# Altium PCB ESP32DOWDQ6.PcbDoc (continued)
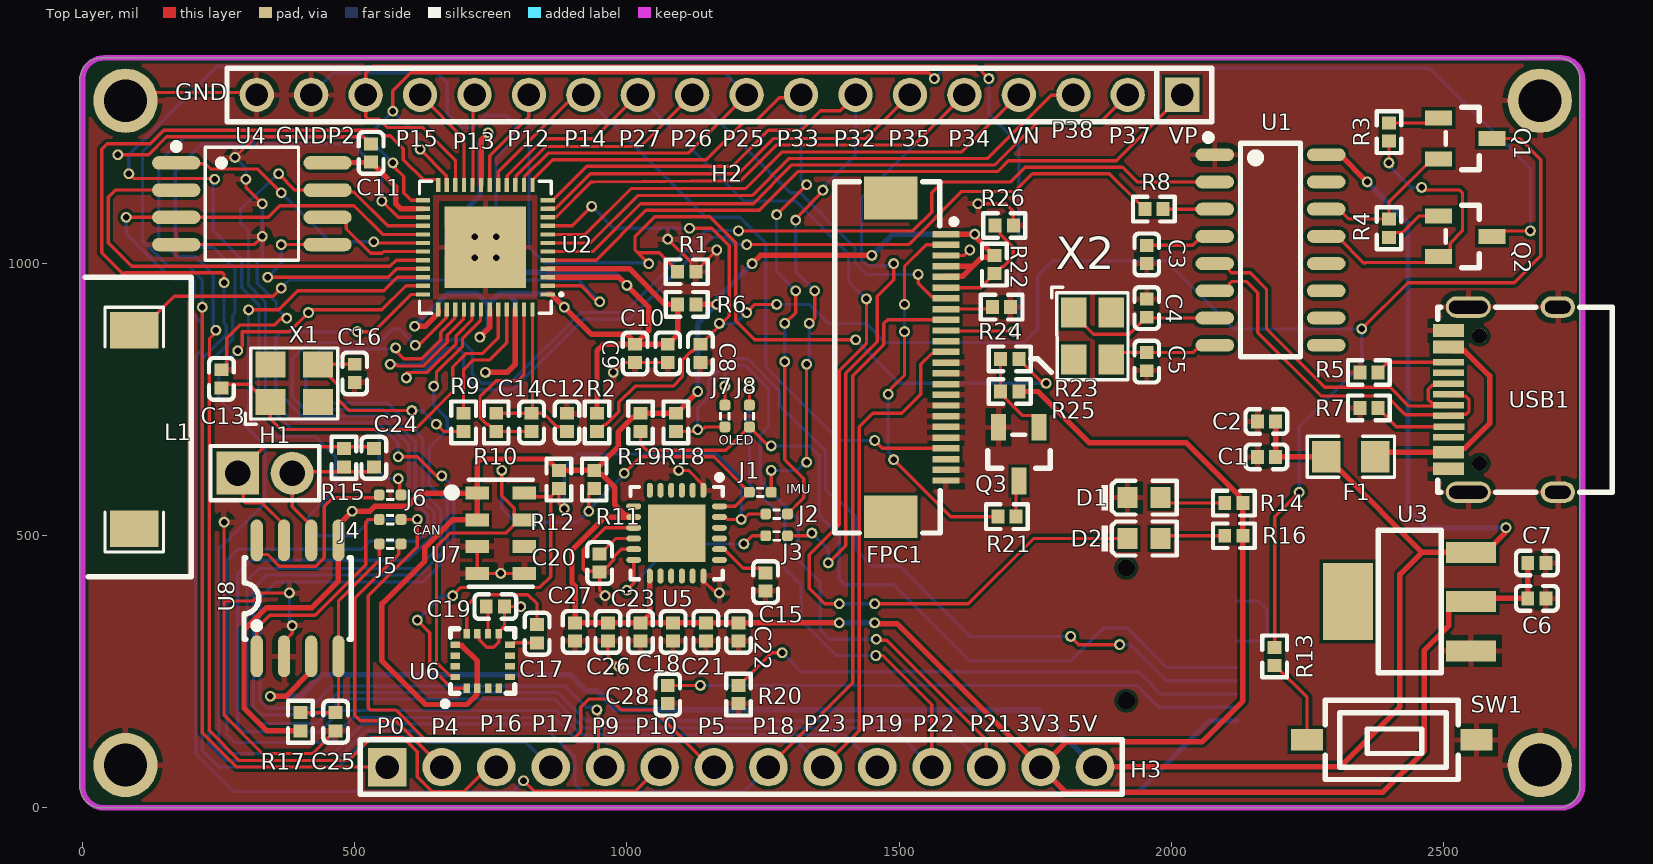
[diagram p0: Top Layer view]
## Nets (pads, with @x,y where several pads share a name; then routed paths per layer and width w, separated by ;. In a path a pad name is that pad's centre, name@x,y a point inside that pad or via, vN(x,y) a via of type N, cw(c..) or ccw(c..) an arc to the next point about the centre after c; other vN are vias at no path point)
3V3: C6.2 C7.2 C18.2 C21.2 C22.2 C23.2 C26.2 C27.2 FPC1.1 FPC1.4 FPC1.5 H3.13 OLED1.14 pad.188 pad.224 pad.225 pad.247 pad.248 pad.249 pad.250 pad.251 R6.2 R11.1 R12.1 R14.1 R16.1 R17.1 R18.1 R19.1 R22.2 R25.1 U3.2 U5.8 U5.13 U6.2 U6.13 U7.1 U7.2 U8.5 | length 7574.5
  Top Layer w10: R17.1 338.46,141.54 296.5,183.5 296.5,326.5 338,368 421.23,368 470,416.77 U8.5 470,520 pad.188 527.37,545 536.37,554 596.63,554 621.05,578.43 U7.1 ; U6.13 685.71,298.7 696.34,298.7 725.22,269.83 U6.2 724.31,218.9 724.31,208.27 706.04,190 630,190 550,270 550,375 629,454 629,478.8 679.41,529.21 U7.2 U7.1 ; U5.8 U5.8@1003.97,534.37 ; U5.13 1042.05,356.06 C23.2@1025.98,340 ; R6.2 pad.225 ; pad.224 1130,764.02 1090.98,725 R18.1 R19.1 1018.19,718.19 1011.49,718.19 983.8,690.49 983.8,662.81 940.98,620 R11.1 ; pad.249 1245,1015 pad.248 ; pad.250 C22.2 C21.2 C18.2 C23.2@1025.98,340 ; pad.251 1456.47,338.53 1496.47,338.53 H3.13 ; FPC1.5 1587.29,976.46 1616.83,976.46 1635.61,995.24 ; FPC1.4 1635.61,995.24 ; FPC1.1 pad.247 1639.14,1049.88 1674.02,1015 R22.2 1671.72,1011.72 1652.09,1011.72 1635.61,995.24 ; R25.1 1755.3,765 1849.13,671.18 2027.25,671.18 2124.92,573.51 2124.92,566.81 R14.1 R16.1 2131.73,196.73 2056.43,121.43 1806.43,121.43 H3.13 ; C7.2 C6.2 2557,385 U3.2 2524.28,379.05 2509.98,364.76 2509.98,334.98 2465,290 2465,105 2388.57,28.57 1806.43,28.57 H3.13 ; U7.1 725,634.14 731.86,641 853.02,641 874.02,620 R12.1 R11.1 ; R11.1 946.81,613.19 953.51,613.19 977.38,589.32 977.38,557.57 997.41,537.54 1000.8,537.54 U5.8@1003.97,534.37 ; U5.8@1003.97,534.37 959.37,534.37 899.14,474.14 899.14,413.41 905,407.55 C27.2 C26.2 C23.2 C23.2@1025.98,340
  Bottom Layer w10: pad.224 1130,890 pad.225 1166.91,926.91 1166.91,936.91 pad.249 ; pad.250 pad.251 ; pad.248 1489.29,1054.29 pad.247 ; H3.13 1806.43,28.57 1938.57,28.57 2070.32,160.32 OLED1.14
3V3A: C9.2 C10.2 pad.169 pad.170 pad.171 pad.190 pad.191 pad.195 R2.2 R6.1 U2.1 U2.3 U2.4 U2.19 U2.37 U2.43 U2.46 | length 2656.7
  Top Layer w10: pad.171 629.88,885 653.39,908.5 U2.37 ; pad.170 747.87,882.87 U2.43 ; U2.19 732.13,1227.13 pad.190@740,1235 ; pad.169 780,800 795.12,815.12 U2.46 ; U2.1 861.5,943.39 934.94,869.94 1000.06,869.94 1007.2,862.8 1007.2,858.54 C9.2@1014.02,851.73 ; U2.3 985.12,974.88 1040,920 1040,876.73 1022.8,859.53 1022.8,858.54 C9.2@1015.98,851.73 ; U2.4 1004.37,990.63 1070,925 R6.1 1093.27,869.02 1075.98,851.73 C10.2 C9.2@1015.98,851.73 ; R2.2 945,840 956.73,851.73 C9.2@1014.02,851.73 ; C9.2@1014.02,851.73 C9.2 C9.2@1015.98,851.73
  Bottom Layer w10: pad.171 670,945 725,945 745,925 ; pad.170 730,867.71 745,882.71 745,925 ; pad.169 780,800 795,815 795,930 780,945 ; pad.190 745,1237.29 730,1222.29 730,1125 670,1065 670,1015 701,984 976,984 pad.195 ; pad.191 860,945 780,945 ; 745,925 765,945 780,945
5VD: C1.2 C2.2 F1.2 H3.14 pad.184 pad.230 pad.231 U1.16 U3.3 U8.3 | length 4137.8
  Top Layer w10: pad.184 373.7,205 420,251.3 U8.3 ; H3.14 1861,76 2311,76 2420,185 2420,429.18 2460.42,469.6 ; C2.2 C1.2 F1.2 2285.02,642.58 2306.3,621.3 2308.72,621.3 2460.42,469.6 ; U1.16 2310,1200 pad.230 ; pad.231 2613.09,513.09 2613.09,504.87 2577.82,469.6 U3.3 2460.42,469.6
  Bottom Layer w10: pad.184 400,205 440,245 895,245 925,215 945,215 980,180 1755,180 H3.14 ; pad.230 2435,1075 2435,550 2470,515 pad.231
CAN_Rx: C25.2 J5.1 R17.2 U8.4 | length 408.1
  Top Layer w6: R17.2 C25.2 470,180 U8.4 470,380 545,455 J5.1
CAN_Tx: J4.1 U8.1 | length 405.2
  Top Layer w6: U8.1 320,330.2 343.8,354 427.03,354 520,446.97 520,525 525,530 J4.1
CH340G_Rx: R8.1 U1.3 | length 95
  Top Layer w6: R8.1 U1.3
CH340G_Tx: pad.176 pad.226 U1.2 U2.40 | length 1975.8
  Top Layer w6: 575,815 578,812 627,812 670.16,855.16 670.16,868.61 699.69,898.14 699.69,914.59 U2.40 ; pad.226 1525.48,1060 1560,1094.52 1560,1130 1580,1150 1705,1150 1732,1177 1910.66,1177 1937.66,1150 U1.2
  Bottom Layer w6: pad.176 620,815 665,860 695,860 716.07,838.93 716.07,797.06 733.13,780 785,780 915,910 995,910 1145.99,1060.99 1204.01,1060.99 pad.226
DTR: pad.228 pad.229 Q2.2 R3.2 U1.13 | length 588.9
  Top Layer w6: U1.13 U1.13@2305,1050 ; U1.13@2295,1060 U1.13@2305,1050 ; pad.229 R3.2 ; pad.228 2465,1135 2530,1135 2535,1130 2535,1060 2512.39,1037.39 2512.39,1023.38 2501.61,1012.6 Q2.2 2480.01,1001.82 2356.82,1001.82 2355,1000 U1.13@2305,1050
  Bottom Layer w6: pad.229 2400,1181.21 2405,1176.21 2405,1175 2440,1140 pad.228
EN: C8.2 pad.189 pad.223 pad.240 pad.252 pad.253 pad.254 pad.283 Q1.3 R2.1 R13.2 U2.9 | length 3574.2
  Top Layer w6: U2.9 899.37,1069.37 pad.189@930,1100 ; R2.1 945.98,691.54 958.64,704.19 961.52,704.19 985,727.67 985,745 1015,775 1085,775 1101.74,791.74 1101.74,822.34 1118.48,839.08 1121.36,839.08 1134.02,851.73 C8.2 1135.98,851.73 1188,903.75 1188,1033.16 1156.16,1065 pad.223 ; pad.253 1235,925 pad.252 ; R13.2 2190,535 pad.283 ; pad.240 2435,965 2630,965 2679,1014 2679,1191 2640,1230 Q1.3
  Bottom Layer w6: pad.189 975,1065 pad.223 ; pad.254 1200,890 pad.253 ; pad.252 1335,925 1370,890 1440,890 1475,855 1730,855 1755,880 1755,978.03 1783.49,1006.51 1785,1005 1990,1005 2115,880 pad.240 2350,815 2235,700 pad.283
GND: C1.1 C2.1 C3.2 C4.1 C5.1 C6.1 C7.1 C8.1 C9.1 C10.1 C11.1 C12.2 C13.1 C15.2 C16.1 C18.1 C19.1 C20.1 C21.1 C22.1 C23.1 C25.1 C26.1 C27.1 C28.1 D1.K FPC1.3 FPC1.13 FPC1.14 FPC1.15 FPC1.16 FPC1.17 FPC1.18 FPC1.19 FPC1.20 FPC1.23 FPC1.24 H2.17 H2.18 OLED1.7 pad.158 pad.185 pad.198 pad.214 pad.217 pad.221 pad.222 pad.284 pad.285 pad.286 pad.287 pad.288 pad.289 pad.290 pad.292 pad.293 pad.294 pad.295 pad.296 pad.297 pad.298 Q3.2 R1.1 R5.2 R7.2 R20.1 R24.1 R26.1 SW1.1 U1.1 U2.49 U3.1 U4.4 U5.1 U5.9 U5.11 U5.18 U6.9 U6.11 U7.3 U7.4 U7.5 U8.2 USB1.13 USB1.14 USB1.15 USB1.16 USB1.A1B12 USB1.B1A12 | length 4294.1
  Top Layer w6: pad.158@59.06,1318.9 63.5,1314.45 315.55,1314.45 H2.18 ; pad.284@65,1203 pad.284 121.14,1200 154.14,1233 318,1233 ; U4.4 315,1035 pad.286 ; C13.1 255.98,805 264.8,813.81 264.8,863.25 288.54,887 352,887 pad.285@365,900 ; pad.289 260,380 ; pad.294 318,1233 ; pad.293 300,1140 pad.292 ; U8.2 370,305.7 385,320.7 pad.185 ; pad.295 327.5,395 312.5,380 260,380 ; C25.1 464.02,141.54 422.48,100 330,100 260,170 260,380 ; C16.1 C16.1@500.98,781.54 ; C11.1 529.02,1220 516.02,1233 318,1233 ; U7.3 U7.4 U7.5 ; U6.11 728.06,317.29 728.06,309.48 742.54,295 755,295 764.53,304.53 U6.9 764.53,323.15 775,333.62 C19.1 pad.214 ; pad.221 950,400 C20.1 ; C26.1 965,280 pad.287 ; pad.222 993.27,818.27 C9.1 C10.1 ; U5.11 989.74,475.32 976.21,461.79 976.21,455.61 962.68,442.08 958.81,442.08 C20.1 ; U5.9 960.62,514.69 920,474.07 920,438.51 923.51,435 948.27,435 C20.1 ; pad.297 1117.92,1002.08 1117.92,993.81 R1.1 1126.73,985.98 1165,1024.25 pad.298 ; pad.288 1113.16,620 1140.47,592.69 U5.1 ; U5.18 1140.47,417.83 1163.31,395 pad.296 ; FPC1.3 1619.92,1014.92 pad.198 ; pad.290 1696.49,1110 1710,1096.49 R26.1
  Bottom Layer w6: pad.294@280,1200 pad.294 300,1175 pad.293 ; pad.292 pad.286 330,1011.17 321,1002.17 321,964 356.16,928.84 356.16,918.84 pad.285 ; pad.295 380,343.79 385,338.79 pad.185 ; H2.17 460.5,1350.5 650.99,1350.5 670,1331.49 670,1275.39 695.39,1250 717.27,1250 739.78,1272.51 777.49,1272.51 795,1255 795,1230 759.69,1194.69 v1(759.69,1049.69) v1(720.32,1049.69) ; v1(720.32,1010.32) v1(759.69,1010.32)
GPIO0: H3.1 pad.161 pad.183 pad.192 pad.205 pad.206 Q2.3 U2.23 | length 4580.3
  Top Layer w6: pad.183 220,138.03 283.03,75 H3.1 ; pad.205 570,1317.27 603.23,1350.5 1554.5,1350.5 pad.206@1560,1345 ; pad.161 668.2,1161.8 668.2,1145.41 U2.23 ; Q2.3 2599.21,1060 pad.192
  Bottom Layer w6: pad.183 220,970 195,995 156.97,995 110,1041.97 110,1205 150,1245 535,1245 pad.205 617.32,1232.68 617.32,1212.68 pad.161 ; pad.206 1584,1359 2475,1359 2660,1174 pad.192
GPIO2: FPC1.10 H2.16 pad.193 pad.194 U2.22 | length 2099.5
  Top Layer w6: U2.22 684.88,1190.12 625,1250 560,1250 545,1265 525,1265 520,1270 H2.16 520,1350 532.5,1362.5 1642.5,1362.5 pad.193 ; FPC1.10 1587.44,876.06 1708.94,876.06 pad.194
  Bottom Layer w6: pad.193 1665,1275 1720,1220 1720,885 pad.194
GPIO4: H3.2 J5.2 pad.187 U2.24 | length 3066.6
  Top Layer w6: pad.187 260,979.49 256.49,983 78,983 77.49,982.49 72.51,982.49 35,1020 35,1210 45,1220 124.17,1220 149.17,1245 542.33,1245 552.33,1235 565,1235 589,1211 589,1191 625.44,1154.56 652.45,1154.56 653.39,1153.62 U2.24 ; J5.2 581,481 581,466 500,385 500,170 510,160 575.56,160 660,75.56 H3.2
  Bottom Layer w6: pad.187 260,890.82 264,886.82 264,869.63 249.37,855 248.51,855 245,851.49 245,850 220,825 220,105 250,75 470,75 525,130 605,130 H3.2
GPIO5: H3.7 J4.2 pad.200 pad.201 U2.34 | length 2283
  Top Layer w6: pad.200 360,915 395,950 553.47,950 578.35,974.88 U2.34 ; J4.2 pad.201 615,480 525,390 525,183.51 528.51,180 575,180 630,125 900,125 915,140 915,185 930,200 970,200 990,180 1049.2,180 1154.2,75 H3.7
  Bottom Layer w6: pad.200 305,720 342.5,682.5 427.5,682.5 465,645 465,585 415,535 415,515 430,500 500,500 530,530 pad.201
GPIO9: H3.5 pad.167 pad.209 pad.210 pad.211 U2.28 U4.7 | length 2655.8
  Top Layer w6: pad.167 390,1135 U4.7 453.6,1131.4 498.6,1131.4 560.63,1069.37 U2.28 ; pad.209 615,645 pad.210@650,610 ; pad.211 947.68,177.32 947.68,87.32 H3.5
  Bottom Layer w6: pad.167 290,1100 290,1075 305,1060 305,960.1 336,929.1 336,761 387,710 400,710 402,708 541.9,708 577.45,672.45 580,669.9 pad.209 ; pad.210 682,588 682,472 625,415 355,415 326,386 326,197.13 340.14,182.99 417.99,182.99 459,224 886,224 925,185 940,185 pad.211 pad.211@950,175
GPIO10: H3.6 pad.212 pad.213 U2.29 U4.3 | length 2565.5
  Top Layer w6: pad.212 U4.3 340.99,1085 362.39,1106.4 498.6,1106.4 551.38,1053.62 U2.29 ; pad.213 829.43,30.57 1015.57,30.57 H3.6
  Bottom Layer w6: pad.212 80,1055 163.49,971.51 201.49,971.51 205,968 205,935.56 201,931.56 201,909 220,890 220,841.97 208,829.97 208,100 278,30 790,30 pad.213
GPIO12: H2.13 pad.196 pad.242 pad.243 R1.2 R23.1 U2.18 | length 1906.3
  Top Layer w6: U2.18 747.87,1197.87 819.5,1269.5 819.5,1309.5 H2.13 ; pad.196 1020,1020 ; R1.2 1093.27,985.98 1059.25,1020 1020,1020 ; pad.243 1235,860 1200,895 1200,1038.13 1152.13,1086 1051,1086 1015,1050 1015,1025 1020,1020 ; R23.1 1720,824.02 1764.02,780 pad.242
  Bottom Layer w6: H2.13 820,1030 848.68,1001.32 1038.68,1001.32 pad.196 ; pad.243 1500,780 pad.242
GPIO13: H2.14 U2.20 | length 167
  Top Layer w6: U2.20 717.32,1145.41 717.32,1307.32 H2.14
GPIO14: FPC1.21 H2.12 pad.241 U2.17 | length 1307.7
  Top Layer w6: U2.17 763.62,1168.62 905,1310 H2.12 ; pad.241 1469.41,660.59 FPC1.21
  Bottom Layer w6: H2.12 1145,1085 1207.5,1085 1255,1037.5 1255,810 1390,675 pad.241
GPIO15: H2.15 U2.21 | length 198.9
  Top Layer w6: H2.15 700.63,1229.37 U2.21
GPIO16: H3.3 pad.159 pad.186 U2.25 | length 2339.4
  Top Layer w6: pad.186 245,874.22 233.2,862.43 233.2,706.8 233.2,141.8 288,87 488.41,87 530.7,129.3 589.3,129.3 615,103.59 615,57.16 642.16,30 700,30 745,75 H3.3 ; pad.159 570,1180 590,1160 590,1130 603.39,1116.61 U2.25
  Bottom Layer w6: pad.186 245,880 240,885 240,980 207.5,1012.5 172.5,1012.5 140,1045 140,1185 187,1232 523,1232 pad.159
GPIO17: H3.4 pad.166 U2.27 | length 2399.5
  Top Layer w6: pad.166 579.88,1085.12 U2.27
  Bottom Layer w6: pad.166 550,1165 495,1220 220,1220 170,1170 170,1050 190,1030 240,1030 280,990 280,910 276,906 276,861 232,817 232,118 263,87 465,87 520,142 609.97,142 631.97,120 815,120 H3.4
GPIO18: FPC1.9 H3.8 pad.180 pad.208 U2.35 | length 3369.7
  Top Layer w6: pad.208 293.51,848.51 293.51,875 380,875 pad.180 420,915 550,915 594.13,959.13 U2.35 ; H3.8 1414.79,229.79 1414.79,793.98 1472,851.19 1472,890 1478.81,896.81 FPC1.9
  Bottom Layer w6: pad.208 250,805 250,751.49 335,666.49 335,560 250,475 250,120 270,100 460,100 514,154 843.84,154 904.43,93.4 904.43,44.43 918.87,30 1215,30 H3.8
GPIO19: H3.10 pad.177 U2.38 | length 2784.8
  Top Layer w6: pad.177@605,850 pad.177 617.61,850 668.2,900.59 668.2,914.59 U2.38
  Bottom Layer w6: pad.177 581.31,880 570,880 545,855 415,855 385,825 385,755 406,734 412.54,734 414.54,732 551.84,732 611,672.84 611,577.03 627.03,561 627.84,561 646,542.84 646,504.03 596.97,455 310,455 285,430 285,150 295,140 435,140 473.99,178.99 871.01,178.99 915,135 1400,135 H3.10
GPIO21: H3.12 J7.2 pad.174 pad.277 pad.278 U2.42 | length 3637.1
  Top Layer w6: pad.174 650,780 650,800 698.09,848.09 698.09,862.6 731.19,895.7 731.19,914.59 U2.42 ; J7.2 pad.278 ; pad.277 1460.25,307.88 1477.12,307.88 1660,125 H3.12
  Bottom Layer w6: pad.174 645,740 670,715 670,695 637,662 637,595 670,562 670,478.03 619.97,428 338.51,428 314,403.49 314,186 329.01,170.99 429.01,170.99 470.03,212 873,212 925,160 1575,160 H3.12 ; pad.278 1180,798.03 1194.97,813 1217,813 1260,770 1260,700 1245,685 1245,605 1244.99,600.01 1315,530 1315,455 1355,415 1355,326.97 1371.97,310 pad.277
GPIO22: H3.11 J8.2 pad.178 pad.276 pad.279 U2.39 | length 3742.1
  Top Layer w6: 580,835 590,825 623.03,825 658.16,860.13 658.16,873.58 683.95,899.36 683.95,914.59 U2.39 ; J8.2 pad.279 ; pad.276 1470,280 1560,190 H3.11
  Bottom Layer w6: pad.178 573,843 438,843 410,815 410,753.51 419.51,744 560,744 625,679 625,580 632,573 632.81,573 658,547.81 658,483 615,440 325,440 302,417 302,178 325,155 430,155 475,200 866.97,200 919.97,147 1488,147 H3.11 ; pad.279 1225,595 1290,530 1290,440 1320,410 1320,345 1385,280 pad.276
GPIO23: FPC1.12 H3.9 pad.179 U2.36 | length 3630.1
  Top Layer w6: pad.179 535,875 603.39,943.39 U2.36 ; H3.9 1426.79,141.79 1426.79,700 1451.79,725 1505,725 1540,760 1540,814.93 1559.92,834.85 1583.47,834.85 FPC1.12
  Bottom Layer w6: pad.179 365,875 355,865 355,768.03 401.03,722 404.97,722 406.97,720 546.87,720 599,667.87 599,572.06 622.06,549 622.87,549 634,537.87 634,509 615,490 527.5,490 512.5,475 285,475 265,455 265,135 280,120 450,120 496,166 867.03,166 913.03,120 1315,120 H3.9
GPIO25: H2.9 J6.2 pad.202 pad.204 pad.291 U2.14 | length 2733.5
  Top Layer w6: pad.204 93.6,1156.4 241.1,1156.4 pad.291 ; pad.202 582.5,602.5 582.5,577.5 J6.2 ; U2.14 811.8,1145.41 811.8,1159.41 855.39,1203 1113,1203 H2.9
  Bottom Layer w6: pad.204 85,1200 247.5,1362.5 1167.5,1362.5 H2.9 ; pad.291 240,1152.5 240,1060 292.5,1007.5 292.5,955.63 324,924.13 324,839.45 323,838.45 323,757.03 384.03,696 536.93,696 545,687.93 545,618.51 558.51,605 pad.202
GPIO26: FPC1.7 H2.10 pad.199 U2.15 | length 1049.4
  Top Layer w6: U2.15 796.05,1145.41 796.05,1160.64 850.42,1215 1025,1215 H2.10 ; pad.199 1535,964.01 1559.92,939.09 1583.47,939.09 FPC1.7
  Bottom Layer w6: H2.10 1300,1130 1318.13,1130 1419,1029.13 1419,1001 1440,980 pad.199
GPIO27: D2.K H2.11 pad.244 pad.245 pad.246 U2.16 | length 2144.3
  Top Layer w6: U2.16 780.31,1145.41 780.31,1161.86 847.7,1229.25 939.25,1229.25 H2.11 ; pad.245 1363.51,375 1335,403.51 1335,465 1390,520 1390,803.13 1440,853.13 pad.246 ; pad.244 1627.03,375 1747.03,495 D2.K
  Bottom Layer w6: H2.11 1215,1115 1310,1115 1407,1018 1407,968 pad.246 ; pad.245 pad.244
GPIO32: H2.7 J1.2 pad.233 pad.235 pad.258 pad.259 pad.260 pad.261 pad.262 U2.12 | length 1501
  Top Layer w6: U2.12 863.62,1116.61 926.01,1179 1194,1179 1260,1245 1320,1245 1355.68,1280.68 1392.05,1280.68 1420,1308.64 H2.7 ; J1.2 pad.262 ; pad.235 1310,1082.5 1360,1132.5 pad.233 ; pad.261 pad.260 ; pad.259 1345,900 pad.258
  Bottom Layer w6: pad.262 1312.77,620 1327.77,635 pad.261 ; pad.235 1310,985 pad.258 ; pad.260 1335,820 pad.259 ; pad.233@1355,1135 1420,1200 H2.7
GPIO33: H2.8 J2.2 pad.232 pad.234 pad.255 pad.256 pad.257 U2.13 | length 1413.9
  Top Layer w6: U2.13 826.61,1153.62 863.99,1191 1146,1191 1215,1260 1234.79,1260 1279.5,1304.72 1314.72,1304.72 H2.8 ; pad.234 pad.232 ; pad.257 1290,640 1325,605 1325,570 J2.2 ; pad.256 1310,910 pad.255
  Bottom Layer w6: pad.234 1275,985 pad.255 ; pad.257 pad.256 ; H2.8 1320,1155 pad.232
GPIO34: H2.5 J3.2 pad.263 pad.264 pad.265 U2.10 | length 2011.4
  Top Layer w6: U2.10 855.41,1086.05 870.64,1086.05 934.58,1150 940,1150 1204.98,1152.13 1209.13,1152.13 1275,1218 1528,1218 H2.5 ; J3.2 1331.21,500 1336.21,505 pad.265 ; pad.264@1375,455 1402,482 1402,798.16 1460,856.16 1460,940 1490,970 pad.263
  Bottom Layer w6: pad.265 1370,475 pad.264 ; pad.263 1486,996 1442.13,996 1431,1007.13 1431,1121 H2.5
GPIO35: H2.6 U2.11 | length 752.2
  Top Layer w6: U2.11 855.41,1101.8 869.41,1101.8 932.61,1165 1205,1165 1270,1230 1440,1230 H2.6
GPIO37: H2.2 U2.6 | length 1184.8
  Top Layer w6: U2.6 937.13,1022.13 1025,1110 1231.97,1110 1303.17,1181.2 1676.2,1181.2 1755,1260 1870,1260 H2.2
GPIO38: H2.3 U2.7 | length 1078.2
  Top Layer w6: U2.7 932.87,1037.87 1020,1125 1230,1125 1298.2,1193.2 1663.2,1193.2 1779.5,1309.5 1819.5,1309.5 H2.3
IMUINT: J3.1 pad.238 pad.239 U5.12 | length 357.2
  Top Layer w6: pad.239 1012.52,412.52 U5.12 ; pad.238 1230,500 J3.1
  Bottom Layer w6: pad.239 1085,485 pad.238
IMUSCL: J2.1 pad.215 pad.216 pad.220 pad.237 R12.2 U5.23 U6.1 U7.8 | length 1302.1
  Top Layer w6: pad.215 638,322 638,259.86 678.05,219.81 U6.1 ; pad.216 695,405 840,405 860,425 860,571.54 ; U7.8 818.5,571.54 860,571.54 ; pad.220 875,560 R12.2 874.02,586.54 865.2,577.72 865.2,576.74 860,571.54 ; U5.23 1179.63,534.37 1184,530 pad.237 1213.79,530 1223.79,540 J2.1
  Bottom Layer w6: pad.215 660,390 pad.216@670,390 ; pad.220 885,625 910,650 1165,650 1210,605 pad.237
IMUSDA: J1.1 pad.218 pad.219 pad.236 R11.2 U5.24 U6.16 U7.7 | length 1271.3
  Top Layer w6: U6.16 681.9,243.45 674.1,243.45 650,267.55 650,480 675,505 777.56,505 U7.7@801.77,529.21 ; pad.218 770,573.85 792.96,550.89 792.96,538.02 U7.7@801.77,529.21 ; U7.7 U7.7@801.77,529.21 ; pad.219 930,577.52 939.02,586.54 R11.2 ; pad.236 1025,645 1160,645 J1.1 1199.06,554.06 U5.24
  Bottom Layer w6: pad.218 770,550 795,525 910,525 pad.219 930,547.5 995,612.5 pad.236
LCD_CS: FPC1.8 R24.2 | length 86.6
  Top Layer w6: FPC1.8 1668.03,916.5 R24.2
LEDK: FPC1.2 pad.266 pad.267 pad.268 pad.269 R21.2 | length 687.3
  Top Layer w6: 1485,770 1510,795 pad.267 ; pad.269 1595,535 R21.2 ; pad.266 1510,995 1549.61,1034.61 FPC1.2
  Bottom Layer w6: pad.268 1480,653.79 1490,643.79 pad.269 ; pad.267 pad.266
NetC3_1: C3.1 U1.4 | length 131.8
  Top Layer w6: C3.1 2039.84,1033.46 2056.38,1050 U1.4
NetC4_2: C4.2 U1.7 X2.1 | length 291.5
  Top Layer w6: X2.1 1821.11,906.07 1857.17,870 1922.48,870 1954.02,901.54 C4.2 1956.54,900 U1.7
NetC5_2: C5.2 U1.8 X2.3 | length 177.2
  Top Layer w6: X2.3@1908.27,836.73 C5.2 2040.21,836.73 2053.48,850 U1.8
NetC12_1: C12.1 C14.1 R10.2 U2.48 | length 336
  Top Layer w6: R10.2 C14.1 ; U2.48 826.61,726.61 C14.1 ; C12.1@889.02,691.54 C12.1 881.19,700.35 871.45,700.35 846.8,725 C14.1
NetC13_2: C13.2 U2.44 X1.1 | length 707.2
  Top Layer w6: C13.2@255,778.27 305.05,778.27 337.76,745.56 341.69,745.56 345,742.26 345,715 365,695 610,695 680,765 680,810 705,835 735,835 763.62,863.62 U2.44
NetC14_2: C14.2 R10.1 U2.47 | length 360.6
  Top Layer w6: U2.47 810.87,795.87 800,785 760,785 730,755 730,717.67 743.48,704.19 746.36,704.19 759.02,691.54 R10.1 C14.2
NetC15_1: C15.1 U5.20 | length 103.1
  Top Layer w6: U5.20 1179.11,475.32 1213.88,440.54 1246.19,440.54 C15.1
NetC16_2: C16.2 pad.172 pad.173 R9.1 X1.3 | length 400.2
  Top Layer w6: C16.2 428.85,815 428.3,814.46 X1.3 468.93,777.77 468.93,751.07 490,730 pad.173 ; pad.172 663.46,691.54 R9.1
  Bottom Layer w6: 615,730 625,730 pad.172
NetC17_1: C17.1 U6.12 | length 234.3
  Top Layer w6: U6.12 705.53,371.32 726,391.8 818.2,391.8 835,375 C17.1
NetC17_2: C17.2 U6.8 | length 51.3
  Top Layer w6: U6.8 788.15,299.61 791.82,303.27 C17.2
NetC19_2: C19.2 U6.10 | length 51.2
  Top Layer w6: C19.2 744.84,366.7 U6.10
NetC20_2: C20.2 U5.10 | length 74.2
  Top Layer w6: C20.2 950.98,466.73 979.25,495 U5.10
NetC24_1: C24.1 H1.2 R15.1 U8.6 | length 297.8
  Top Layer w6: U8.6 420,518.7 385,553.7 H1.2 387.72,617.72 526.19,617.72 C24.1 C24.1@540,626.54
NetC24_2: C24.2 H1.1 R15.2 U8.7 | length 447.7
  Top Layer w6: U8.7 370,520 330,560 300,560 295,565 295,605 H1.1 333.37,663.37 531.63,663.37 C24.2
NetC28_2: C28.2 OLED1.13 pad.271 | length 1061.7
  Top Layer w6: C28.2 pad.271
  Bottom Layer w6: pad.271 1936.49,225 1976.75,184.74 OLED1.13
NetD1_A: D1.A R14.2 | length 122.4
  Top Layer w6: D1.A 1990,560 R14.2
NetD2_A: D2.A R16.2 | length 120.3
  Top Layer w6: D2.A 1985,500 R16.2
NetFPC1_6: FPC1.6 R22.1 R26.2 | length 216.6
  Top Layer w6: FPC1.6 1650.12,955.87 1673.27,979.02 R22.1@1673.27,980 ; R22.1 1675.98,981.54 1688.64,994.19 1691.52,994.19 1710,1012.67 1710,1030 1685.35,1054.65 1685.35,1061.19 R26.2
NetL1_1: L1.1 pad.168 pad.182 U2.2 | length 1018.4
  Top Layer w6: L1.1 105.98,877.28 168.7,940 350,940 pad.182 ; U2.2 915.87,959.13 945,930 pad.168
  Bottom Layer w6: pad.182 380,970 911.49,970 915,966.49 915,965 pad.168
NetOLED1_5: OLED1.5 OLED1.8 | length 170.4
  Bottom Layer w6: OLED1.8 2166.77,306.77 2175.89,315.89 2175.89,364.11 2160,380 OLED1.5
NetOLED1_12: OLED1.12 pad.270 R20.2 | length 971.3
  Top Layer w6: R20.2 1205.98,225 1265.98,285 pad.270
  Bottom Layer w6: pad.270 1320,250 1940,250 1980.87,209.13 OLED1.12
NetQ1_1: Q1.1 R3.1 | length 94.5
  Top Layer w6: R3.1 2481.85,1258.46 Q1.1
NetQ2_1: Q2.1 R4.1 | length 107
  Top Layer w6: R4.1 2408.81,1057.08 2424.33,1057.08 2454.65,1087.4 Q2.1
NetQ3_1: Q3.1 R23.2 R25.2 | length 166.7
  Top Layer w6: R23.2 R25.2 1695.35,756.19 1695.35,752.32 1726.85,720.82 1746.62,720.82 1757.4,710.04 Q3.1
NetQ3_3: Q3.3 R21.1 | length 67.9
  Top Layer w6: R21.1 1715,595.79 Q3.3
NetR5_1: R5.1 USB1.B5 | length 138.1
  Top Layer w6: R5.1 2380,800.98 2397.91,818.9 USB1.B5
NetR7_1: R7.1 USB1.A5 | length 145.2
  Top Layer w6: R7.1 2380,734.02 2413.62,700.39 USB1.A5
NetR8_2: pad.175 pad.227 R8.2 U2.41 | length 1815.6
  Top Layer w6: 595,800 633.03,800 686.09,853.07 686.09,867.57 715.44,896.92 715.44,914.59 U2.41 ; pad.227 1517.45,1035 1614.95,1132.5 1712.5,1132.5 1745,1165 1886.54,1165 1941.74,1109.8 1942.72,1109.8 1951.54,1100.98 R8.2
  Bottom Layer w6: pad.175 595.87,790 608.87,803 628,803 670,845 690,845 700.32,834.68 700.32,795.84 728.16,768 789.97,768 919.97,898 1004.01,898 1155,1048.99 1183.01,1048.99 1196.99,1035 pad.227@1210,1035
NetR9_2: R9.2 U2.45 | length 241
  Top Layer w6: R9.2 700,805 718,823 748,823 779.37,854.37 U2.45
NetR13_1: R13.1 SW1.2 | length 161.8
  Top Layer w6: R13.1 2190.98,261.54 2249.49,203.03 SW1.2
OLED_SCL: J8.1 OLED1.10 pad.272 R19.2 | length 1484.7
  Top Layer w6: R19.2 1025,668.51 1036.51,657 1182,657 J8.1 1260,665 pad.272
  Bottom Layer w6: pad.272 1335,665 1353,647 1353,537 1390,500 1390,420 1400,410 1490,410 1630,270 1815,270 1875,330 1911.97,330 1920,330 1992.05,257.95 OLED1.10
OLED_SDA: J7.1 OLED1.11 pad.273 pad.274 pad.275 R18.2 | length 1515.3
  Top Layer w6: R18.2 1135.12,691.54 1143.59,700 J7.1 ; pad.274 1830,300 pad.273
  Bottom Layer w6: pad.275 1130,735 1150,755 1150,785 1190,825 1221.97,825 1280.24,766.73 1280.24,739.76 1365,655 1365,585 1380,570 1385,570 1420,535 1420,475 1450,445 1500,445 1630,315 pad.274 ; pad.273 1925,300 1991.46,233.54 OLED1.11
RTS: Q1.2 R4.2 U1.14 | length 277.7
  Top Layer w6: U1.14 2308.35,1100 2326.61,1081.73 R4.2 2400,1112.64 2479.96,1192.6 Q1.2
SD0: U2.32 U4.2 | length 815.5
  Top Layer w6: U4.2 60,1135 47,1122 47,1038 90,995 564.53,995 575.91,1006.38 U2.32
SD1: pad.163 pad.164 U2.33 U4.5 | length 447.4
  Top Layer w6: pad.163 561.5,975 577.13,990.63 U2.33 ; pad.164 U4.5
  Bottom Layer w6: pad.163 365,1000 pad.164
SD_CLK: U2.31 U4.6 | length 211.6
  Top Layer w6: U4.6 475.85,1085 484.53,1076.31 484.53,1063.6 529.07,1019.07 549.89,1019.07 552.95,1022.13 U2.31
SD_CMD: pad.162 pad.165 U2.30 U4.1 | length 514.4
  Top Layer w6: U4.1 173.39,1183.66 225.34,1183.66 235,1174 321,1174 pad.165 ; pad.162 537.13,1037.87 U2.30
  Bottom Layer w6: pad.165 455,1040 pad.162
SENSOR_VN: H2.4 U2.8 | length 971.7
  Top Layer w6: U2.8 923.62,1053.62 1008,1138 1218,1138 1285.2,1205.2 1615.2,1205.2 H2.4
SENSOR_VP: H2.1 U2.5 | length 1291.3
  Top Layer w6: U2.5 943.38,1006.38 1035,1098 1243,1098 1314,1169 1431.86,1169 1432.06,1169.2 1681.17,1169.2 1700.97,1189 1899,1189 H2.1
STB: J6.1 U8.8 | length 364.8
  Top Layer w6: U8.8 320,473.12 327.57,465.56 340.19,465.56 361.64,444.11 428.36,444.11 444.18,459.93 444.18,554.18 460,570 540,570 J6.1
USB-DN: U1.6 USB1.A7 USB1.B7 | length 692.2
  Top Layer w6: U1.6 2098.85,950 2106.99,958.14 2106.99,962.91 2111.08,967 2138.49,967 2159,946.49 2159,873.37 2275.58,756.8 2395.54,756.8 2430.02,722.31 2507.86,722.31 USB1.B7 2512.61,723.38 2541.62,723.38 2547.25,729.01 2547.25,749.79 2540.1,756.94 2512.61,756.94 USB1.A7 USB1.A7@2506.8,756.94
USB-DP: U1.5 USB1.A6 USB1.B6 | length 691.3
  Top Layer w6: U1.5 2098.85,1000 2106.99,991.86 2106.99,987.09 2111.08,983 2145.11,983 2175,953.11 2175,880 2282.2,772.8 2402.17,772.8 2436.65,738.31 2507.86,738.31 USB1.A6 2506.8,743.06 2479.31,743.06 2472.16,750.21 2472.16,769.47 2479.31,776.62 2506.8,776.62 USB1.B6 USB1.B6@2512.61,776.62
VBUS: F1.1 USB1.A4B9 USB1.B4A9 | length 419.9
  Top Layer w10: F1.1 2383.52,653.54 USB1.A4B9 2516.52,660.35 2538.96,660.35 2585,706.39 2585,793.61 2538.96,839.64 2516.52,839.64 USB1.B4A9
VDD_SDIO: C11.2 U2.26 U4.8 | length 230.7
  Top Layer w10: U4.8 450.77,1185.77 529.23,1185.77 C11.2 530.98,1186.54 537.8,1179.72 537.8,1178.74 575,1141.54 575,1110 584.13,1100.87 U2.26
pads on no net: FPC1.11 FPC1.22 FPC1.25 FPC1.26 L1.2 OLED1. OLED1.1 OLED1.2 OLED1.3 OLED1.4 OLED1.6 OLED1.9 U1.9 U1.10 U1.11 U1.12 U1.15 U3.4 U5.0 U5.2 U5.3 U5.4 U5.5 U5.6 U5.7 U5.14 U5.15 U5.16 U5.17 U5.19 U5.21 U5.22 U6.3 U6.4 U6.5 U6.6 U6.7 U6.14 U6.15 U7.6 USB1. USB1.A8 USB1.B8 X1.2 X1.4 X2.2 X2.4

## Polygon pours and split planes (outlines as drawn)
GND on Bottom Layer "GND_L02_P000" (solid, pour order 0): -2.95,970 0.53,966.51 198.53,966.51 198.53,416.49 197.05,415 192.05,420 -2.95,420 -2.95,34.37 ccw(c36.42,34.37) 36.42,-5 2713.58,-5 ccw(c2713.58,34.37) 2752.95,34.37 2752.95,1333.58 ccw(c2713.58,1333.58) 2713.58,1372.95 36.42,1372.95 ccw(c36.42,1333.58) -2.95,1333.58
GND on Top Layer "GND_L01_P002" (solid, pour order 2): -2.95,972.05 192.05,972.05 192.05,427.05 197.05,422.05 -2.95,422.05 -2.95,36.42 ccw(c36.42,36.42) 36.42,-2.95 2713.58,-2.95 ccw(c2713.58,36.42) 2750.91,48.95 2750.91,1323.1 ccw(c2713.58,1335.63) 2713.58,1375 36.42,1375 ccw(c36.42,1335.63) -2.95,1335.63

## Keep-outs
Keep-Out Layer:
  lines w10: 0,39.37 ccw(c39.37,39.37) 39.37,0 2716.54,0 ccw(c2716.54,39.37) 2755.91,39.37 2755.91,1338.58 ccw(c2716.54,1338.58) 2716.54,1377.95 39.37,1377.95 ccw(c39.37,1338.58) 0,1338.58 0,39.37

## Silkscreen, mask and mechanical layers (free items; w line width, h text height)
Top Overlay:
  lines w10: 5,975 180,975 200,975 200,485 200,425 ; 10,425 185,425 200,425 ; 200,455 200,425 ; 1741.65,825 1755,825 1780,800
  text "GND" at 170,1300 h30
  text "P38" at 1780,1230 h30
  text "GND" at 355,1220 h30
  text "P2" at 450,1220 h30
  text "VN" at 1700,1220 h30
  text "P37" at 1885,1220 h30
  text "VP" at 1995,1220 h30
  text "P15" at 575,1215 h30
  text "P12" at 780,1215 h30
  text "P14" at 885,1215 h30
  text "P27" at 985,1215 h30
  text "P26" at 1080,1215 h30
  text "P25" at 1175,1215 h30
  text "P33" at 1275,1215 h30
  text "P32" at 1380,1215 h30
  text "P35" at 1480,1215 h30
  text "P34" at 1590,1215 h30
  text "P13" at 680,1210 h30
  text "OLED" at 1169.01,660.42 h30
  text "IMU" at 1292.41,570.58 h30
  text "CAN" at 607.66,495.41 h30
  text "P16" at 730,140 h30
  text "P17" at 825,140 h30
  text "P23" at 1325,140 h30
  text "P19" at 1430,140 h30
  text "P22" at 1525,140 h30
  text "P21" at 1630,140 h30
  text "3V3" at 1715,140 h30
  text "5V" at 1810,140 h30
  text "P0" at 540,135 h30
  text "P9" at 935,135 h30
  text "P10" at 1015,135 h30
  text "P5" at 1130,135 h30
  text "P18" at 1230,135 h30
  text "P4" at 640.77,134.18 h30
Bottom Overlay:
  text "Designed By Tuubu" at 220,1165.01 h60 r180
Mechanical 1:
  lines w10: 0,39.37 ccw(c39.37,39.37) 39.37,0 2716.54,0 ccw(c2716.54,39.37) 2755.91,39.37 2755.91,1338.58 ccw(c2716.54,1338.58) 2716.54,1377.95 39.37,1377.95 ccw(c39.37,1338.58) 0,1338.58 0,39.37